# Altium PCB LimeSDR-USB_1v5.PcbDoc (continued)
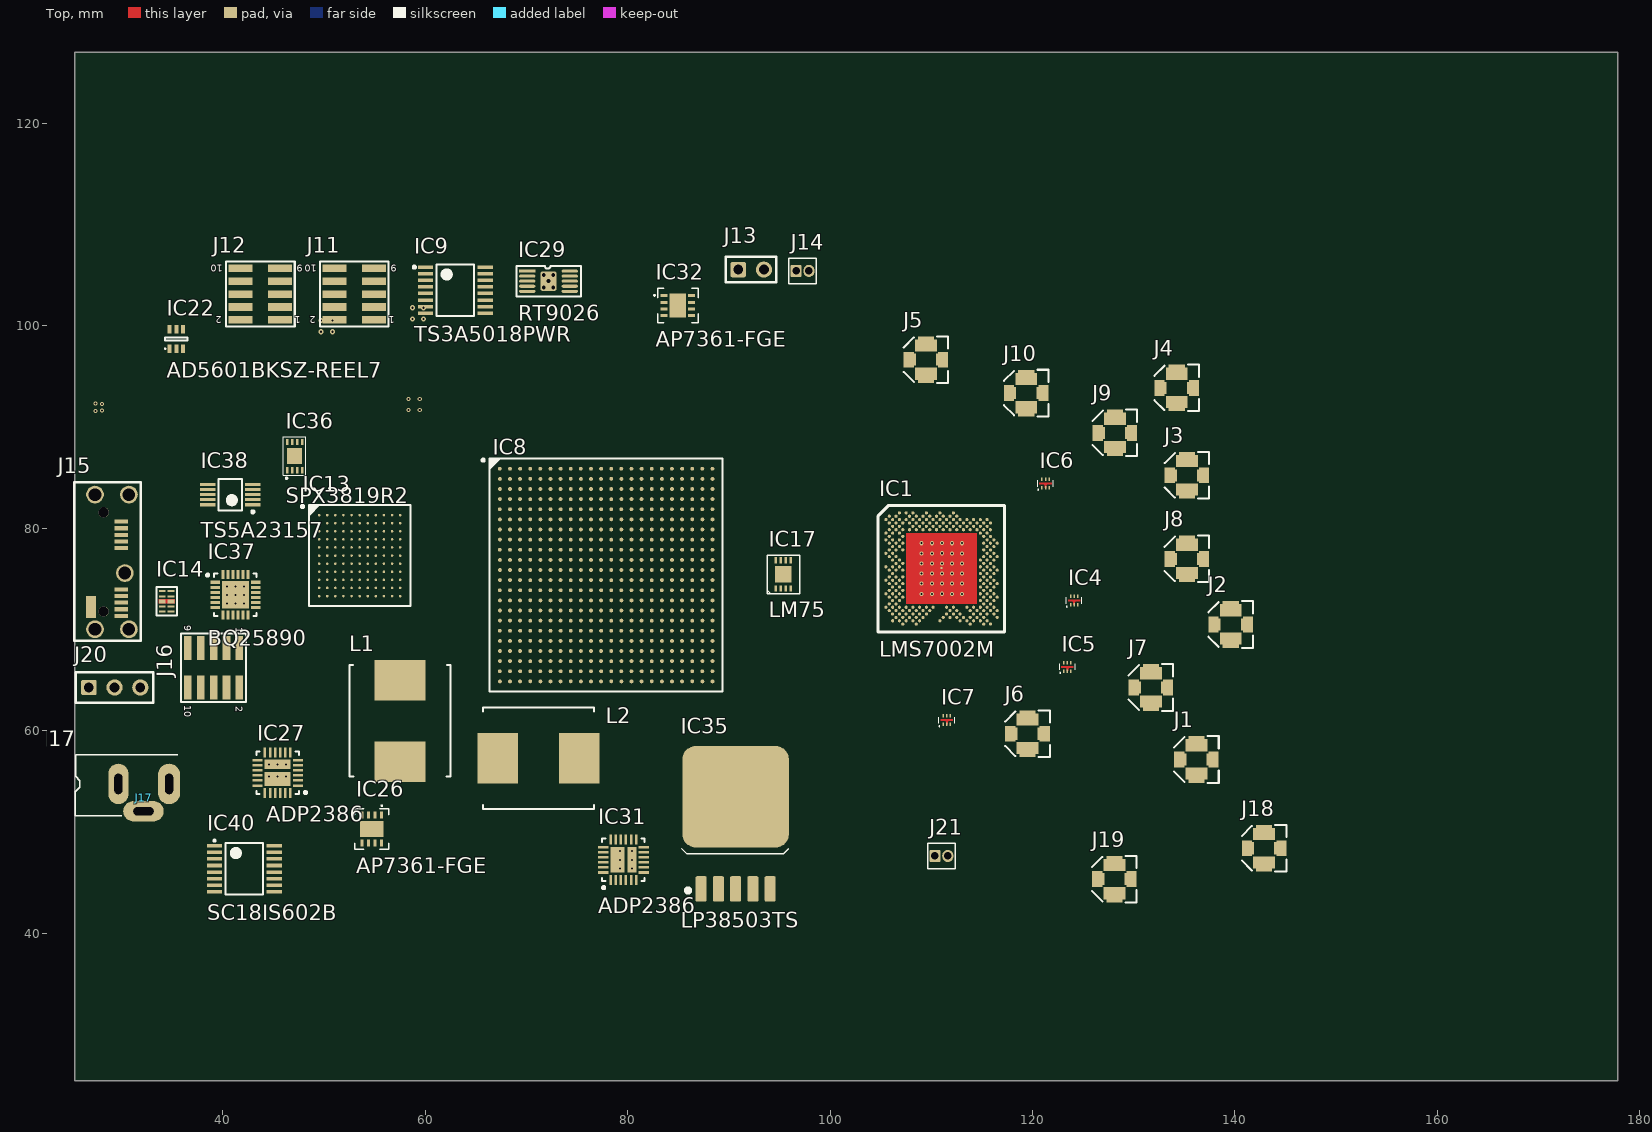
[diagram p0: Top view]
## Footprints (in the part's own frame and the unit in brackets; to place one, negate y for a bottom-side part, rotate by r counter-clockwise, add the part's x,y. Pads: shape width x height; smd on the part's side, far side on the other; paste and mask are expansions set on the pad) (continued)
  rect 2.6x2.6 smd mask+0.05: 25(0,0)
  silkscreen extent -3,-2.22 2.22,2.22, body extent -2,-2 2,2, height 1
LMS7002M_v3 [mm] "LMS7002 without AM2 pad (internally unconnected). Pad size reduced to 0.31mm from 0.35"
  round 0.31 smd mask+0.05: A5(-3.998,5.49) A7(-3.332,5.49) A9(-2.666,5.49) A13(-1.334,5.49) A17(-0.002,5.49) A21(1.33,5.49) AA1(-5.33,-1.17) AA3(-4.664,-1.17) AA5(-3.998,-1.17) AA29(3.994,-1.17) AA31(4.66,-1.17) AA33(5.326,-1.17) AB2(-4.997,-1.503) AB4(-4.331,-1.503) AB6(-3.665,-1.503) AB30(4.327,-1.503) AB32(4.993,-1.503) AB34(5.659,-1.503) AC3(-4.664,-1.836) AC5(-3.998,-1.836) AC29(3.994,-1.836) AC31(4.66,-1.836) AC33(5.326,-1.836) AD2(-4.997,-2.169) AD4(-4.331,-2.169) AD6(-3.665,-2.169) AD30(4.327,-2.169) AD32(4.993,-2.169) AE1(-5.33,-2.502) AE3(-4.664,-2.502) AE5(-3.998,-2.502) AE29(3.994,-2.502) AE31(4.66,-2.502) AE33(5.326,-2.502) AF2(-4.997,-2.835) AF4(-4.331,-2.835) AF6(-3.665,-2.835) AF30(4.327,-2.835) AF32(4.993,-2.835) AF34(5.659,-2.835) AG3(-4.664,-3.168) AG5(-3.998,-3.168) AG29(3.994,-3.168) AG31(4.66,-3.168) AG33(5.326,-3.168) AH2(-4.997,-3.501) AH4(-4.331,-3.501) AH30(4.327,-3.501) AH32(4.993,-3.501) AJ1(-5.33,-3.834) AJ3(-4.664,-3.834) AJ5(-3.998,-3.834) AJ7(-3.332,-3.834) AJ9(-2.666,-3.834) AJ11(-2,-3.834) AJ13(-1.334,-3.834) AJ15(-0.668,-3.834) AJ19(0.664,-3.834) AJ21(1.33,-3.834) AJ25(2.662,-3.834) AJ27(3.328,-3.834) AJ29(3.994,-3.834) AJ31(4.66,-3.834) AJ33(5.326,-3.834) AK2(-4.997,-4.167) AK4(-4.331,-4.167) AK6(-3.665,-4.167) AK8(-2.999,-4.167) AK10(-2.333,-4.167) AK12(-1.667,-4.167) AK14(-1.001,-4.167) AK20(0.997,-4.167) AK22(1.663,-4.167) AK26(2.995,-4.167) AK28(3.661,-4.167) AK30(4.327,-4.167) AK32(4.993,-4.167) AK34(5.659,-4.167) AL3(-4.664,-4.5) AL5(-3.998,-4.5) AL7(-3.332,-4.5) AL9(-2.666,-4.5) AL11(-2,-4.5) AL13(-1.334,-4.5) AL19(0.664,-4.5) AL21(1.33,-4.5) AL23(1.996,-4.5) AL27(3.328,-4.5) AL29(3.994,-4.5) AL31(4.66,-4.5) AL33(5.326,-4.5) AM4(-4.331,-4.833) AM6(-3.665,-4.833) AM8(-2.999,-4.833) AM10(-2.333,-4.833) AM12(-1.667,-4.833) AM18(0.331,-4.833) AM20(0.997,-4.833) AM22(1.663,-4.833) AM24(2.329,-4.833) AM26(2.995,-4.833) AM28(3.661,-4.833) AM30(4.327,-4.833) AM34(5.659,-4.833) AN3(-4.664,-5.166) AN5(-3.998,-5.166) AN7(-3.332,-5.166) AN9(-2.666,-5.166) AN11(-2,-5.166) AN17(-0.002,-5.166) AN23(1.996,-5.166) AN25(2.662,-5.166) AN27(3.328,-5.166) AN29(3.994,-5.166) AN31(4.66,-5.166) AP6(-3.665,-5.499) AP10(-2.333,-5.499) AP26(2.995,-5.499) AP30(4.327,-5.499) AP32(4.993,-5.499) B2(-4.997,5.157) B4(-4.331,5.157) B8(-2.999,5.157) B10(-2.333,5.157) B12(-1.667,5.157) B14(-1.001,5.157) B16(-0.335,5.157) B18(0.331,5.157) B20(0.997,5.157) B22(1.663,5.157) C1(-5.33,4.824) C3(-4.664,4.824) C5(-3.998,4.824) C7(-3.332,4.824) C9(-2.666,4.824) C11(-2,4.824) C13(-1.334,4.824) C15(-0.668,4.824) C17(-0.002,4.824) C19(0.664,4.824) C21(1.33,4.824) C23(1.996,4.824) C25(2.662,4.824) C27(3.328,4.824) C29(3.994,4.824) C31(4.66,4.824) D2(-4.997,4.491) D4(-4.331,4.491) D6(-3.665,4.491) D8(-2.999,4.491) D10(-2.333,4.491) D12(-1.667,4.491) D14(-1.001,4.491) D16(-0.335,4.491) D18(0.331,4.491) D20(0.997,4.491) D22(1.663,4.491) D24(2.329,4.491) D26(2.995,4.491) D28(3.661,4.491) D30(4.327,4.491) D32(4.993,4.491) E3(-4.664,4.158) E5(-3.998,4.158) E9(-2.666,4.158) E11(-2,4.158) E13(-1.334,4.158) E15(-0.668,4.158) E17(-0.002,4.158) E19(0.664,4.158) E21(1.33,4.158) E23(1.996,4.158) E25(2.662,4.158) E27(3.328,4.158) E29(3.994,4.158) E31(4.66,4.158) F2(-4.997,3.825) F4(-4.331,3.825) F6(-3.665,3.825) F8(-2.999,3.825) F10(-2.333,3.825) F12(-1.667,3.825) F14(-1.001,3.825) F16(-0.335,3.825) F18(0.331,3.825) F20(0.997,3.825) F22(1.663,3.825) F24(2.329,3.825) F26(2.995,3.825) F28(3.661,3.825) F30(4.327,3.825) F32(4.993,3.825) G1(-5.33,3.492) G3(-4.664,3.492) G5(-3.998,3.492) G29(3.994,3.492) G31(4.66,3.492) H2(-4.997,3.159) H6(-3.665,3.159) H30(4.327,3.159) H32(4.993,3.159) J1(-5.33,2.826) J3(-4.664,2.826) J5(-3.998,2.826) J31(4.66,2.826) J33(5.326,2.826) K2(-4.997,2.493) K4(-4.331,2.493) K6(-3.665,2.493) K30(4.327,2.493) K32(4.993,2.493) K34(5.659,2.493) L3(-4.664,2.16) L5(-3.998,2.16) L31(4.66,2.16) L33(5.326,2.16) M2(-4.997,1.827) M4(-4.331,1.827) M6(-3.665,1.827) M30(4.327,1.827) M32(4.993,1.827) N1(-5.33,1.494) N3(-4.664,1.494) N31(4.66,1.494) N33(5.326,1.494) P2(-4.997,1.161) P4(-4.331,1.161) P30(4.327,1.161) P32(4.993,1.161) P34(5.659,1.161) R3(-4.664,0.828) R5(-3.998,0.828) R29(3.994,0.828) R31(4.66,0.828) R33(5.326,0.828) T4(-4.331,0.495) T6(-3.665,0.495) T30(4.327,0.495) T32(4.993,0.495) U1(-5.33,0.162) U3(-4.664,0.162) U5(-3.998,0.162) U29(3.994,0.162) U31(4.66,0.162) U33(5.326,0.162) V2(-4.997,-0.171) V4(-4.331,-0.171) V6(-3.665,-0.171) V30(4.327,-0.171) V32(4.993,-0.171) V34(5.659,-0.171) W3(-4.664,-0.504) W29(3.994,-0.504) W31(4.66,-0.504) W33(5.326,-0.504) Y2(-4.997,-0.837) Y4(-4.331,-0.837) Y6(-3.665,-0.837) Y30(4.327,-0.837) Y32(4.993,-0.837)
  rect 0.2x0.2 smd: GND(0.175,0.025)
  Top region: -3.325,-3.5 3.675,-3.5 3.675,3.5 -3.325,3.5
  silkscreen extent -6.1,-6.3 6.4,6.2, body extent -6,-6.15 6.3,6.15, height 1
M25P40-VMN6TPB_SO8N [mm] "SOIC, 8-Leads, Body 4,90x3,90mm, Pitch 1,27mm, IPC Medium Density"
  rect 2.2x0.55 smd: 1(-2.4,1.905) 2(-2.4,0.635) 3(-2.4,-0.635) 4(-2.4,-1.905) 5(2.4,-1.905) 6(2.4,-0.635) 7(2.4,0.635) 8(2.4,1.905)
  silkscreen extent -2.52,-2.5 0.9,2.85, body extent -2.89,-2.45 2.89,2.45, height 1.45
MAX7322ATE_QFN16 [mm]
  rect 0.8x0.3 smd mask+0.05: 1(-1.425,0.75) 2(-1.425,0.25) 3(-1.425,-0.25) 4(-1.425,-0.75) 9(1.425,-0.75) 10(1.425,-0.25) 11(1.425,0.25) 12(1.425,0.75)
  rect 0.3x0.8 smd mask+0.05: 5(-0.75,-1.425) 6(-0.25,-1.425) 7(0.25,-1.425) 8(0.75,-1.425) 13(0.75,1.425) 14(0.25,1.425) 15(-0.25,1.425) 16(-0.75,1.425)
  rect 1.25x1.25 smd mask+0.05: 17(0,0)
  silkscreen extent -2.16,-1.8 1.8,1.82, body extent -1.5,-1.5 1.5,1.5, height 0.92
microUSB3B_SM_v2 [mm] "GSB443T33HRCT-ND"
  round 1 hole 1: 0(-2.225,-1.73) 0(7.575,-1.73)
  rect 0.4x1.35 smd: 1(-1.3,0) 2(-0.65,0) 3(0,0) 4(0.65,0) 5(1.3,0) 6(5.4,0) 7(6.05,0) 8(6.7,0) 9(7.35,0) 10(8,0)
  round 1.75 hole 1.25: 11(-3.975,0.77) 11(-3.975,-2.58) 11(3.775,0.37) 11(9.325,-2.58) 11(9.325,0.77)
  rect 2.18x0.98 smd: 12(7.115,-2.97)
  silkscreen extent -5.18,-4.62 10.48,1.92, body extent -4.03,-6.52 9.38,-0.61, height 5.27
MMCX_UFL_conn_u [mm]
  rect 1.55x1 smd mask+0.05: 1(0,1.7) 2(0,-1.7)
  rect 1.2x1.2 smd mask+0.05: 1(0,1.6) 2(0,-1.6)
  rect 1.2x1.6 smd mask+0.05: 2(-1.7,0) 2(1.7,0)
  rect 1.2x2.15 smd mask+0.05: 2(-1.4,0) 2(1.4,0)
  silkscreen extent -2.3,-2.2 2.3,2.2, body extent -1.5,-1.55 1.5,1.55, height 1.25
MSOP10 [mm]
  rrect25% 1.6x0.3 smd mask+0.05: 1(0,0)
  oval 1.6x0.3 smd mask+0.05: 2(0,-0.5) 3(0,-1) 4(0,-1.5) 5(0,-2) 6(4.2,-2) 7(4.2,-1.5) 8(4.2,-1) 9(4.2,-0.5) 10(4.2,0)
  round 0.66 hole 0.381: 11(1.625,-1.625) 11(1.625,-0.375) 11(2.1,-1) 11(2.575,-1.625) 11(2.575,-0.375)
  rrect25% 1.6x1.9 smd: 11(2.1,-1)
  silkscreen extent -1.07,-2.5 5.31,0.5, body extent -0.47,-2.6 4.68,0.6, height 1.09
NC7SV74K8XCT [mm] "SOIC, 8-Leads, Body 2,00x2,30mm, Pitch 1,27mm, IPC Medium Density"
  rect 0.7x0.3 smd mask+0.05: 1(-1.35,0.75) 2(-1.35,0.25) 3(-1.35,-0.25) 4(-1.35,-0.75) 5(1.35,-0.75) 6(1.35,-0.25) 7(1.35,0.25) 8(1.35,0.75)
  silkscreen extent -1.45,-1.05 0.8,1.47, body extent -1.2,-1.05 1.2,1.05, height 0.9
RAKON_RPT7050A [mm] "Rakon's Pluto+ ASIC"
  rect 1.5x1.2 smd: 1(2.45,2.2) 2(-2.75,2.2) 4(-2.75,-2.2) 5(2.45,-2.2)
  rect 1.4x0.9 smd: 3(-3.2,0) 6(3.2,0)
  body extent 4.15,1.8 4.25,1.9, height 0.1
RAKON_TXCO [mm] "30.72 MHz or 61.44 MHz"
  rect 1.5x1.2 smd: 1(2.45,2.2) 2(-2.75,2.2) 3(-2.75,-2.2) 4(2.45,-2.2)
  body extent -3.5,-2.3 3.2,2.3, height 2.4
SC18IS602B_TSSOP16 [mm]
  rect 1.5x0.35 smd: 1(-2.95,2.275) 2(-2.95,1.625) 3(-2.95,0.975) 4(-2.95,0.325) 5(-2.95,-0.325) 6(-2.95,-0.975) 7(-2.95,-1.625) 8(-2.95,-2.275) 9(2.95,-2.275) 10(2.95,-1.625) 11(2.95,-0.975) 12(2.95,-0.325) 13(2.95,0.325) 14(2.95,0.975) 15(2.95,1.625) 16(2.95,2.275)
  silkscreen extent -3.05,-2.55 1.85,2.85, body extent -3.2,-2.5 3.2,2.5, height 1.1
Si5351C_20QFN [mm] "QFN, 20-Leads, Body 4,00x4,00mm, Pitch 0,50mm, Thermal Pad 2,70x2,70mm, IPC Medium Density"
  rect 0.8x0.25 smd mask+0.05: 1(-1.925,1) 2(-1.925,0.5) 3(-1.925,0) 4(-1.925,-0.5) 5(-1.925,-1) 11(1.925,-1) 12(1.925,-0.5) 13(1.925,0) 14(1.925,0.5) 15(1.925,1)
  rect 0.25x0.8 smd mask+0.05: 6(-1,-1.925) 7(-0.5,-1.925) 8(0,-1.925) 9(0.5,-1.925) 10(1,-1.925) 16(1,1.925) 17(0.5,1.925) 18(0,1.925) 19(-0.5,1.925) 20(-1,1.925)
  rect 2.7x2.7 smd mask+0.05: 21(0,0)
  silkscreen extent -2.92,-2.15 2.15,2.15, body extent -2.02,-2.02 2.02,2.02, height 0.8
SKY13323-378LF [mm] "SKY13323-378LF RF switch"
  rect 0.35x0.15 smd paste-0.1 mask+0.05: 1(-0.425,0.35) 2(-0.425,0) 3(-0.425,-0.35) 4(0.425,-0.35) 5(0.425,0) 6(0.425,0.35)
  Top region: -0.4,0.075 -0.175,0.075 -0.075,0.175 -0.075,0.6 0.075,0.6 0.075,0 -0.4,0
  Top region: -0.4,-0.075 -0.175,-0.075 -0.075,-0.175 -0.075,-0.6 0.075,-0.6 0.075,0 -0.4,0
  silkscreen extent -0.65,-0.78 0.3,0.78, body extent -0.5,-0.5 0.5,0.5, height 0.51
SP3010-04UTG [mm]
  rect 0.2x0.675 smd mask+0.05: 1(-1,-0.437) 2(-0.5,-0.437) 4(0.5,-0.437) 5(1,-0.437) 6(1,0.437) 7(0.5,0.437) 9(-0.5,0.437) 10(-1,0.437)
  rect 0.4x0.675 smd mask+0.05: 3(0,-0.437) 8(0,0.437)
  Top region: 0.2,0.775 0.2,-0.775 -0.2,-0.775 -0.2,0.775
  silkscreen extent -1.4,-1 1.4,1, body extent -1.25,-0.51 1.25,0.51, height 0.52
SPX3819R2-L/TR [mm]
  rect 0.6x0.25 smd mask+0.05: 1(-1.4,0.75) 2(-1.4,0.25) 3(-1.4,-0.25) 4(-1.4,-0.75) 5(1.4,-0.75) 6(1.4,-0.25) 7(1.4,0.25) 8(1.4,0.75)
  rect 1.6x1.5 smd: 9(0,0)
  silkscreen extent -2.22,-1.1 1.9,1.1, body extent -1.51,-1 1.51,1, height 0.75
SWD_10_pin [mm]
  rect 0.75x2.4 smd: 1(-2.55,-1.95) 2(-2.55,1.95) 3(-1.275,-1.95) 4(-1.275,1.95) 5(0,-1.95) 6(0,1.95) 7(1.275,-1.95) 8(1.275,1.95) 9(2.55,-1.95) 10(2.55,1.95)
  silkscreen extent -3.2,-3.4 3.2,3.4, body extent -3.17,-2.75 3.17,2.75, height 6.37
TO-263-5_v2 [mm] "D-PAK/TO-263-5; 5 Leads; Body 14.4 (inc. leads) x 10.4 mm (LxW max)"
  round 0.5 on Mech15: 0(0,0)
  rrect25% 2.5x1.1 smd: 1(-6.05,3.41) 2(-6.05,1.705) 3(-6.05,0) 4(-6.05,-1.705) 5(-6.05,-3.41)
  rrect25% 10x10.5 smd: 3(3.05,0)
  silkscreen extent -6.4,-5.2 -2.1,5.3, body extent -6.73,-5.08 7.29,5.08, height 4.56
TS3A5018PWR [mm] "TSOP, 16-Leads, Body 5,00x4,40mm, Pitch 0,65mm, IPC Medium Density"
  rect 1.5x0.35 smd: 1(-2.95,2.275) 2(-2.95,1.625) 3(-2.95,0.975) 4(-2.95,0.325) 5(-2.95,-0.325) 6(-2.95,-0.975) 7(-2.95,-1.625) 8(-2.95,-2.275) 9(2.95,-2.275) 10(2.95,-1.625) 11(2.95,-0.975) 12(2.95,-0.325) 13(2.95,0.325) 14(2.95,0.975) 15(2.95,1.625) 16(2.95,2.275)
  silkscreen extent -4.17,-2.55 1.85,2.55, body extent -3.2,-2.5 3.2,2.5, height 1.1
TS5A23157 [mm] "TSSOP, 10-Leads, Body 3,00x3,00mm, Pitch 0,50mm, IPC Medium Density"
  rect 1.5x0.3 smd mask+0.05: 1(-2.225,1) 2(-2.225,0.5) 3(-2.225,0) 4(-2.225,-0.5) 5(-2.225,-1) 6(2.225,-1) 7(2.225,-0.5) 8(2.225,0) 9(2.225,0.5) 10(2.225,1)
  silkscreen extent -2.35,-1.55 1.15,1.82, body extent -2.51,-1.55 2.51,1.55, height 1.1
WQFN-24 [mm]
  rect 0.9x0.3 smd mask+0.05: 1(-2.025,1.225) 2(-2.025,0.725) 3(-2.025,0.225) 4(-2.025,-0.275) 5(-2.025,-0.775) 6(-2.025,-1.275) 13(1.975,-1.275) 14(1.975,-0.775) 15(1.975,-0.275) 16(1.975,0.225) 17(1.975,0.725) 18(1.975,1.225)
  rect 0.3x0.9 smd mask+0.05: 7(-1.275,-2.025) 8(-0.775,-2.025) 9(-0.275,-2.025) 10(0.225,-2.025) 11(0.725,-2.025) 12(1.225,-2.025) 19(1.225,1.975) 20(0.725,1.975) 21(0.225,1.975) 22(-0.275,1.975) 23(-0.775,1.975) 24(-1.275,1.975)
  rect 2.7x2.7 smd mask+0.05: 25(-0.025,-0.025)
  silkscreen extent -2.9,-2.13 2.07,2.08, body extent -2.04,-2.04 1.98,1.98, height 0.8

## Part data
IC4 IC5 IC6 IC7: "SKY13323-378LF: 0.1-3.0 GHz GaAs SPDT Switch"
IC8: library part EP4CE40F23C7N, "IC FPGA 328 I/O 484FBGA"
IC10: library part M25P40
IC13: "EZ-USB(R) FX3: SuperSpeed USB Controller, 512 KB, 60 I/Os, 0 to 70 degC, 121-Pin FBGA (BZX121)"
IC18: library part MAX7322ATE+
IC22: "Single 8-Bit nanoDAC with SPI Interface in LFCSP and SC70, 2.7 to 5.5 V, <100 uA, -40 to +125 degC, KS-6, Pb-Free, Reel"
IC26 IC28 IC30 IC32 IC33 IC34: library part AP7361
IC36: library part SPX3819R2-L/TR
IC38: "TS3A5018"
IC40: library part SC18IS602
J1 J2 J3 J4 J5 J6 J7 J8 J9 J10: library part RF_IF_connector, "CONN UMC RCPT STR 50 OHM SMD"
J11 J12 J16: library part "Header 5X2_SWD", "Header, 5-Pin, Dual row"
J13 J14: library part Jumper
J15: library part Micro_USB3_B
J17: "Power Connector, THT, 2.1mm ID, 5.5mm OD"
J18 J19: library part RF_IF_connector
J20: library part Header3P, "Header, 3-pin"
L1 L2: library part Inductor_0603
XO1: library part RPT7050A
XO2: library part TXCO
XT1: library part CRYSTAL_19M2, "Oscillator Crystal 19.2 MHz"
XT2: library part CRYSTAL_19M2, "Oscillator Crystal 25 MHz"

## Via types
v1: diameter 0.4, hole 0.2, Top to Bottom, tented both sides, 38 vias
v2: diameter 0.5, hole 0.2, Top to Bottom, tented both sides, 29 vias

## Nets (pads, with @x,y where several pads share a name; then routed paths per layer and width w, separated by ;. In a path a pad name is that pad's centre, name@x,y a point inside that pad or via, vN(x,y) a via of type N, cw(c..) or ccw(c..) an arc to the next point about the centre after c; other vN are vias at no path point)
pads on no net: IC1.A5 IC1.A7 IC1.A9 IC1.A13 IC1.A17 IC1.A21 IC1.AA1 IC1.AA3 IC1.AA5 IC1.AA29 IC1.AA31 IC1.AA33 IC1.AB2 IC1.AB4 IC1.AB6 IC1.AB30 IC1.AB32 IC1.AB34 IC1.AC3 IC1.AC5 IC1.AC29 IC1.AC31 IC1.AC33 IC1.AD2 IC1.AD4 IC1.AD6 IC1.AD30 IC1.AD32 IC1.AE1 IC1.AE3 IC1.AE5 IC1.AE29 IC1.AE31 IC1.AE33 IC1.AF2 IC1.AF4 IC1.AF6 IC1.AF30 IC1.AF32 IC1.AF34 IC1.AG3 IC1.AG5 IC1.AG29 IC1.AG31 IC1.AG33 IC1.AH2 IC1.AH4 IC1.AH30 IC1.AH32 IC1.AJ1 IC1.AJ3 IC1.AJ5 IC1.AJ7 IC1.AJ9 IC1.AJ11 IC1.AJ13 IC1.AJ15 IC1.AJ19 IC1.AJ21 IC1.AJ25 IC1.AJ27 IC1.AJ29 IC1.AJ31 IC1.AJ33 IC1.AK2 IC1.AK4 IC1.AK6 IC1.AK8 IC1.AK10 IC1.AK12 IC1.AK14 IC1.AK20 IC1.AK22 IC1.AK26 IC1.AK28 IC1.AK30 IC1.AK32 IC1.AK34 IC1.AL3 IC1.AL5 IC1.AL7 IC1.AL9 IC1.AL11 IC1.AL13 IC1.AL19 IC1.AL21 IC1.AL23 IC1.AL27 IC1.AL29 IC1.AL31 IC1.AL33 IC1.AM4 IC1.AM6 IC1.AM8 IC1.AM10 IC1.AM12 IC1.AM18 IC1.AM20 IC1.AM22 IC1.AM24 IC1.AM26 IC1.AM28 IC1.AM30 IC1.AM34 IC1.AN3 IC1.AN5 IC1.AN7 IC1.AN9 IC1.AN11 IC1.AN17 IC1.AN23 IC1.AN25 IC1.AN27 IC1.AN29 IC1.AN31 IC1.AP6 IC1.AP10 IC1.AP26 IC1.AP30 IC1.AP32 IC1.B2 IC1.B4 IC1.B8 IC1.B10 IC1.B12 IC1.B14 IC1.B16 IC1.B18 IC1.B20 IC1.B22 IC1.C1 IC1.C3 IC1.C5 IC1.C7 IC1.C9 IC1.C11 IC1.C13 IC1.C15 IC1.C17 IC1.C19 IC1.C21 IC1.C23 IC1.C25 IC1.C27 IC1.C29 IC1.C31 IC1.D2 IC1.D4 IC1.D6 IC1.D8 IC1.D10 IC1.D12 IC1.D14 IC1.D16 IC1.D18 IC1.D20 IC1.D22 IC1.D24 IC1.D26 IC1.D28 IC1.D30 IC1.D32 IC1.E3 IC1.E5 IC1.E9 IC1.E11 IC1.E13 IC1.E15 IC1.E17 IC1.E19 IC1.E21 IC1.E23 IC1.E25 IC1.E27 IC1.E29 IC1.E31 IC1.F2 IC1.F4 IC1.F6 IC1.F8 IC1.F10 IC1.F12 IC1.F14 IC1.F16 IC1.F18 IC1.F20 IC1.F22 IC1.F24 IC1.F26 IC1.F28 IC1.F30 IC1.F32 IC1.G1 IC1.G3 IC1.G5 IC1.G29 IC1.G31 IC1.GND IC1.H2 IC1.H6 IC1.H30 IC1.H32 IC1.J1 IC1.J3 IC1.J5 IC1.J31 IC1.J33 IC1.K2 IC1.K4 IC1.K6 IC1.K30 IC1.K32 IC1.K34 IC1.L3 IC1.L5 IC1.L31 IC1.L33 IC1.M2 IC1.M4 IC1.M6 IC1.M30 IC1.M32 IC1.N1 IC1.N3 IC1.N31 IC1.N33 IC1.P2 IC1.P4 IC1.P30 IC1.P32 IC1.P34 IC1.R3 IC1.R5 IC1.R29 IC1.R31 IC1.R33 IC1.T4 IC1.T6 IC1.T30 IC1.T32 IC1.U1 IC1.U3 IC1.U5 IC1.U29 IC1.U31 IC1.U33 IC1.V2 IC1.V4 IC1.V6 IC1.V30 IC1.V32 IC1.V34 IC1.W3 IC1.W29 IC1.W31 IC1.W33 IC1.Y2 IC1.Y4 IC1.Y6 IC1.Y30 IC1.Y32 IC2.1 IC2.2 IC2.3 IC2.4 IC2.5 IC2.6 IC2.7 IC2.8 IC3.1 IC3.2 IC3.3 IC3.4 IC3.5 IC3.6 IC3.7 IC3.8 IC4.1 IC4.2 IC4.3 IC4.4 IC4.5 IC4.6 IC5.1 IC5.2 IC5.3 IC5.4 IC5.5 IC5.6 IC6.1 IC6.2 IC6.3 IC6.4 IC6.5 IC6.6 IC7.1 IC7.2 IC7.3 IC7.4 IC7.5 IC7.6 IC8.A1 IC8.A2 IC8.A3 IC8.A4 IC8.A5 IC8.A6 IC8.A7 IC8.A8 IC8.A9 IC8.A10 IC8.A11 IC8.A12 IC8.A13 IC8.A14 IC8.A15 IC8.A16 IC8.A17 IC8.A18 IC8.A19 IC8.A20 IC8.A21 IC8.A22 IC8.AA1 IC8.AA2 IC8.AA3 IC8.AA4 IC8.AA5 IC8.AA6 IC8.AA7 IC8.AA8 IC8.AA9 IC8.AA10 IC8.AA11 IC8.AA12 IC8.AA13 IC8.AA14 IC8.AA15 IC8.AA16 IC8.AA17 IC8.AA18 IC8.AA19 IC8.AA20 IC8.AA21 IC8.AA22 IC8.AB1 IC8.AB2 IC8.AB3 IC8.AB4 IC8.AB5 IC8.AB6 IC8.AB7 IC8.AB8 IC8.AB9 IC8.AB10 IC8.AB11 IC8.AB12 IC8.AB13 IC8.AB14 IC8.AB15 IC8.AB16 IC8.AB17 IC8.AB18 IC8.AB19 IC8.AB20 IC8.AB21 IC8.AB22 IC8.B1 IC8.B2 IC8.B3 IC8.B4 IC8.B5 IC8.B6 IC8.B7 IC8.B8 IC8.B9 IC8.B10 IC8.B11 IC8.B12 IC8.B13 IC8.B14 IC8.B15 IC8.B16 IC8.B17 IC8.B18 IC8.B19 IC8.B20 IC8.B21 IC8.B22 IC8.C1 IC8.C2 IC8.C3 IC8.C4 IC8.C5 IC8.C6 IC8.C7 IC8.C8 IC8.C9 IC8.C10 IC8.C11 IC8.C12 IC8.C13 IC8.C14 IC8.C15 IC8.C16 IC8.C17 IC8.C18 IC8.C19 IC8.C20 IC8.C21 IC8.C22 IC8.D1 IC8.D2 IC8.D3 IC8.D4 IC8.D5 IC8.D6 IC8.D7 IC8.D8 IC8.D9 IC8.D10 IC8.D11 IC8.D12 IC8.D13 IC8.D14 IC8.D15 IC8.D16 IC8.D17 IC8.D18 IC8.D19 IC8.D20 IC8.D21 IC8.D22 IC8.E1 IC8.E2 IC8.E3 IC8.E4 IC8.E5 IC8.E6 IC8.E7 IC8.E8 IC8.E9 IC8.E10 IC8.E11 IC8.E12 IC8.E13 IC8.E14 IC8.E15 IC8.E16 IC8.E17 IC8.E18 IC8.E19 IC8.E20 IC8.E21 IC8.E22 IC8.F1 IC8.F2 IC8.F3 IC8.F4 IC8.F5 IC8.F6 IC8.F7 IC8.F8 IC8.F9 IC8.F10 IC8.F11 IC8.F12 IC8.F13 IC8.F14 IC8.F15 IC8.F16 IC8.F17 IC8.F18 IC8.F19 IC8.F20 IC8.F21 IC8.F22 IC8.G1 IC8.G2 IC8.G3 IC8.G4 IC8.G5 IC8.G6 IC8.G7 IC8.G8 IC8.G9 IC8.G10 IC8.G11 IC8.G12 IC8.G13 IC8.G14 IC8.G15 IC8.G16 IC8.G17 IC8.G18 IC8.G19 IC8.G20 IC8.G21 IC8.G22 IC8.H1 IC8.H2 IC8.H3 IC8.H4 IC8.H5 IC8.H6 IC8.H7 IC8.H8 IC8.H9 IC8.H10 IC8.H11 IC8.H12 IC8.H13 IC8.H14 IC8.H15 IC8.H16 IC8.H17 IC8.H18 IC8.H19 IC8.H20 IC8.H21 IC8.H22 IC8.J1 IC8.J2 IC8.J3 IC8.J4 IC8.J5 IC8.J6 IC8.J7 IC8.J8 IC8.J9 IC8.J10 IC8.J11 IC8.J12 IC8.J13 IC8.J14 IC8.J15 IC8.J16 IC8.J17 IC8.J18 IC8.J19 IC8.J20 IC8.J21 IC8.J22 IC8.K1 IC8.K2 IC8.K3 IC8.K4 IC8.K5 IC8.K6 IC8.K7 IC8.K8 IC8.K9 IC8.K10 IC8.K11 IC8.K12 IC8.K13 IC8.K14 IC8.K15 IC8.K16 IC8.K17 IC8.K18 IC8.K19 IC8.K20 IC8.K21 IC8.K22 IC8.L1 IC8.L2 IC8.L3 IC8.L4 IC8.L5 IC8.L6 IC8.L7 IC8.L8 IC8.L9 IC8.L10 IC8.L11 IC8.L12 IC8.L13 IC8.L14 IC8.L15 IC8.L16 IC8.L17 IC8.L18 IC8.L19 IC8.L20 IC8.L21 IC8.L22 IC8.M1 IC8.M2 IC8.M3 IC8.M4 IC8.M5 IC8.M6 IC8.M7 IC8.M8 IC8.M9 IC8.M10 IC8.M11 IC8.M12 IC8.M13 IC8.M14 IC8.M15 IC8.M16 IC8.M17 IC8.M18 IC8.M19 IC8.M20 IC8.M21 IC8.M22 IC8.N1 IC8.N2 IC8.N3 IC8.N4 IC8.N5 IC8.N6 IC8.N7 IC8.N8 IC8.N9 IC8.N10 IC8.N11 IC8.N12 IC8.N13 IC8.N14 IC8.N15 IC8.N16 IC8.N17 IC8.N18 IC8.N19 IC8.N20 IC8.N21 IC8.N22 IC8.P1 IC8.P2 IC8.P3 IC8.P4 IC8.P5 IC8.P6 IC8.P7 IC8.P8 IC8.P9 IC8.P10 IC8.P11 IC8.P12 IC8.P13 IC8.P14 IC8.P15 IC8.P16 IC8.P17 IC8.P18 IC8.P19 IC8.P20 IC8.P21 IC8.P22 IC8.R1 IC8.R2 IC8.R3 IC8.R4 IC8.R5 IC8.R6 IC8.R7 IC8.R8 IC8.R9 IC8.R10 IC8.R11 IC8.R12 IC8.R13 IC8.R14 IC8.R15 IC8.R16 IC8.R17 IC8.R18 IC8.R19 IC8.R20 IC8.R21 IC8.R22 IC8.T1 IC8.T2 IC8.T3 IC8.T4 IC8.T5 IC8.T6 IC8.T7 IC8.T8 IC8.T9 IC8.T10 IC8.T11 IC8.T12 IC8.T13 IC8.T14 IC8.T15 IC8.T16 IC8.T17 IC8.T18 IC8.T19 IC8.T20 IC8.T21 IC8.T22 IC8.U1 IC8.U2 IC8.U3 IC8.U4 IC8.U5 IC8.U6 IC8.U7 IC8.U8 IC8.U9 IC8.U10 IC8.U11 IC8.U12 IC8.U13 IC8.U14 IC8.U15 IC8.U16 IC8.U17 IC8.U18 IC8.U19 IC8.U20 IC8.U21 IC8.U22 IC8.V1 IC8.V2 IC8.V3 IC8.V4 IC8.V5 IC8.V6 IC8.V7 IC8.V8 IC8.V9 IC8.V10 IC8.V11 IC8.V12 IC8.V13 IC8.V14 IC8.V15 IC8.V16 IC8.V17 IC8.V18 IC8.V19 IC8.V20 IC8.V21 IC8.V22 IC8.W1 IC8.W2 IC8.W3 IC8.W4 IC8.W5 IC8.W6 IC8.W7 IC8.W8 IC8.W9 IC8.W10 IC8.W11 IC8.W12 IC8.W13 IC8.W14 IC8.W15 IC8.W16 IC8.W17 IC8.W18 IC8.W19 IC8.W20 IC8.W21 IC8.W22 IC8.Y1 IC8.Y2 IC8.Y3 IC8.Y4 IC8.Y5 IC8.Y6 IC8.Y7 IC8.Y8 IC8.Y9 IC8.Y10 IC8.Y11 IC8.Y12 IC8.Y13 IC8.Y14 IC8.Y15 IC8.Y16 IC8.Y17 IC8.Y18 IC8.Y19 IC8.Y20 IC8.Y21 IC8.Y22 IC9.1 IC9.2 IC9.3 IC9.4 IC9.5 IC9.6 IC9.7 IC9.8 IC9.9 IC9.10 IC9.11 IC9.12 IC9.13 IC9.14 IC9.15 IC9.16 IC10.1 IC10.2 IC10.3 IC10.4 IC10.5 IC10.6 IC10.7 IC10.8 IC11.A1 IC11.A2 IC11.A3 IC11.A7 IC11.A8 IC11.A9 IC11.B1 IC11.B2 IC11.B3 IC11.B7 IC11.B8 IC11.B9 IC11.C1 IC11.C2 IC11.C3 IC11.C7 IC11.C8 IC11.C9 IC11.D1 IC11.D2 IC11.D3 IC11.D7 IC11.D8 IC11.D9 IC11.E1 IC11.E2 IC11.E3 IC11.E7 IC11.E8 IC11.E9 IC11.F1 IC11.F2 IC11.F3 IC11.F7 IC11.F8 IC11.F9 IC11.G1 IC11.G2 IC11.G3 IC11.G7 IC11.G8 IC11.G9 IC11.H1 IC11.H2 IC11.H3 IC11.H7 IC11.H8 IC11.H9 IC11.J1 IC11.J2 IC11.J3 IC11.J7 IC11.J8 IC11.J9 IC11.K2 IC11.K3 IC11.K7 IC11.K8 IC11.K9 IC11.L1 IC11.L2 IC11.L3 IC11.L7 IC11.L8 IC11.M2 IC11.M3 IC11.M7 IC11.M8 IC11.M9 IC11.N1 IC11.N2 IC11.N3 IC11.N7 IC11.N8 IC11.P2 IC11.P3 IC11.P7 IC11.P8 IC11.P9 IC11.R1 IC11.R2 IC11.R3 IC11.R7 IC11.R8 IC12.A1 IC12.A2 IC12.A3 IC12.A7 IC12.A8 IC12.A9 IC12.B1 IC12.B2 IC12.B3 IC12.B7 IC12.B8 IC12.B9 IC12.C1 IC12.C2 IC12.C3 IC12.C7 IC12.C8 IC12.C9 IC12.D1 IC12.D2 IC12.D3 IC12.D7 IC12.D8 IC12.D9 IC12.E1 IC12.E2 IC12.E3 IC12.E7 IC12.E8 IC12.E9 IC12.F1 IC12.F2 IC12.F3 IC12.F7 IC12.F8 IC12.F9 IC12.G1 IC12.G2 IC12.G3 IC12.G7 IC12.G8 IC12.G9 IC12.H1 IC12.H2 IC12.H3 IC12.H7 IC12.H8 IC12.H9 IC12.J1 IC12.J2 IC12.J3 IC12.J7 IC12.J8 IC12.J9 IC12.K2 IC12.K3 IC12.K7 IC12.K8 IC12.K9 IC12.L1 IC12.L2 IC12.L3 IC12.L7 IC12.L8 IC12.M2 IC12.M3 IC12.M7 IC12.M8 IC12.M9 IC12.N1 IC12.N2 IC12.N3 IC12.N7 IC12.N8 IC12.P2 IC12.P3 IC12.P7 IC12.P8 IC12.P9 IC12.R1 IC12.R2 IC12.R3 IC12.R7 IC12.R8 IC13.A1 IC13.A2 IC13.A3 IC13.A4 IC13.A5 IC13.A6 IC13.A7 IC13.A8 IC13.A9 IC13.A10 IC13.A11 IC13.B1 IC13.B2 IC13.B3 IC13.B4 IC13.B5 IC13.B6 IC13.B7 IC13.B8 IC13.B9 IC13.B10 IC13.B11 IC13.C1 IC13.C2 IC13.C3 IC13.C4 IC13.C5 IC13.C6 IC13.C7 IC13.C8 IC13.C9 IC13.C10 IC13.C11 IC13.D1 IC13.D2 IC13.D3 IC13.D4 IC13.D5 IC13.D6 IC13.D7 IC13.D8 IC13.D9 IC13.D10 IC13.D11 IC13.E1 IC13.E2 IC13.E3 IC13.E4 IC13.E5 IC13.E6 IC13.E7 IC13.E8 IC13.E9 IC13.E10 IC13.E11 IC13.F1 IC13.F2 IC13.F3 IC13.F4 IC13.F5 IC13.F6 IC13.F7 IC13.F8 IC13.F9 IC13.F10 IC13.F11 IC13.G1 IC13.G2 IC13.G3 IC13.G4 IC13.G5 IC13.G6 IC13.G7 IC13.G8 IC13.G9 IC13.G10 IC13.G11 IC13.H1 IC13.H2 IC13.H3 IC13.H4 IC13.H5 IC13.H6 IC13.H7 IC13.H8 IC13.H9 IC13.H10 IC13.H11 IC13.J1 IC13.J2 IC13.J3 IC13.J4 IC13.J5 IC13.J6 IC13.J7 IC13.J8 IC13.J9 IC13.J10 IC13.J11 IC13.K1 IC13.K2 IC13.K3 IC13.K4 IC13.K5 IC13.K6 IC13.K7 IC13.K8 IC13.K9 IC13.K10 IC13.K11 IC13.L1 IC13.L2 IC13.L3 IC13.L4 IC13.L5 IC13.L6 IC13.L7 IC13.L8 IC13.L9 IC13.L10 IC13.L11 IC14.1 IC14.2 IC14.3 IC14.4 IC14.5 IC14.6 IC14.7 IC14.8 IC14.9 IC14.10 IC16.A1 IC16.A2 IC16.A3 IC16.A4 IC16.B1 IC16.B2 IC16.B3 IC16.B4 IC16.C1 IC16.C2 IC16.C3 IC16.C4 IC16.D1 IC16.D2 IC16.D3 IC16.D4 IC17.1 IC17.2 IC17.3 IC17.4 IC17.5 IC17.6 IC17.7 IC17.8 IC17.9 IC18.1 IC18.2 IC18.3 IC18.4 IC18.5 IC18.6 IC18.7 IC18.8 IC18.9 IC18.10 IC18.11 IC18.12 IC18.13 IC18.14 IC18.15 IC18.16 IC18.17 IC19.1 IC19.2 IC19.3 IC19.4 IC19.5 IC19.6 IC19.7 IC19.8 IC20.1 IC20.2 IC20.3 IC20.4 IC20.5 IC20.6 IC20.7 IC20.8 IC20.9 IC20.10 IC20.11 IC20.12 IC20.13 IC20.14 IC20.15 IC20.16 IC20.17 IC20.18 IC20.19 IC20.20 IC20.21 IC20.22 IC20.23 IC20.24 IC20.25 IC21.1 IC21.2 IC21.3 IC21.4 IC21.5 IC21.6 IC21.7 IC21.8 IC22.1 IC22.2 IC22.3 IC22.4 IC22.5 IC22.6 IC23.1 IC23.2 IC23.3 IC23.4 IC23.5 IC23.6 IC23.7 IC23.8 IC23.9 IC23.10 IC23.11 IC23.12 IC23.13 IC23.14 IC23.15 IC23.16 IC23.17 IC23.18 IC23.19 IC23.20 IC23.21 IC24.1 IC24.2 IC24.3 IC24.4 IC24.5 IC24.6 IC24.7 IC24.8 IC24.9 IC24.10 IC24.11 IC24.12 IC24.13 IC24.14 IC24.15 IC24.16 IC24.17 IC24.18 IC24.19 IC24.20 IC24.21 IC26.1 IC26.2 IC26.3 IC26.4 IC26.5 IC26.6 IC26.7 IC26.8 IC26.9 IC27.1 IC27.2 IC27.3 IC27.4 IC27.5 IC27.6 IC27.7 IC27.8 IC27.9 IC27.10 IC27.11 IC27.12 IC27.13 IC27.14 IC27.15 IC27.16 IC27.17 IC27.18 IC27.19 IC27.20 IC27.21 IC27.22 IC27.23 IC27.24 IC27.25 IC27.26 IC28.1 IC28.2 IC28.3 IC28.4 IC28.5 IC28.6 IC28.7 IC28.8 IC28.9 IC29.1 IC29.2 IC29.3 IC29.4 IC29.5 IC29.6 IC29.7 IC29.8 IC29.9 IC29.10 IC29.11 IC30.1 IC30.2 IC30.3 IC30.4 IC30.5 IC30.6 IC30.7 IC30.8 IC30.9 IC31.1 IC31.2 IC31.3 IC31.4 IC31.5 IC31.6 IC31.7 IC31.8 IC31.9 IC31.10 IC31.11 IC31.12 IC31.13 IC31.14 IC31.15 IC31.16 IC31.17 IC31.18 IC31.19 IC31.20 IC31.21 IC31.22 IC31.23 IC31.24 IC31.25 IC31.26 IC32.1 IC32.2 IC32.3 IC32.4 IC32.5 IC32.6 IC32.7 IC32.8 IC32.9 IC33.1 IC33.2 IC33.3 IC33.4 IC33.5 IC33.6 IC33.7 IC33.8 IC33.9 IC34.1 IC34.2 IC34.3 IC34.4 IC34.5 IC34.6 IC34.7 IC34.8 IC34.9 IC35.0 IC35.1 IC35.2 IC35.3 IC35.4 IC35.5 IC36.1 IC36.2 IC36.3 IC36.4 IC36.5 IC36.6 IC36.7 IC36.8 IC36.9 IC37.1 IC37.2 IC37.3 IC37.4 IC37.5 IC37.6 IC37.7 IC37.8 IC37.9 IC37.10 IC37.11 IC37.12 IC37.13 IC37.14 IC37.15 IC37.16 IC37.17 IC37.18 IC37.19 IC37.20 IC37.21 IC37.22 IC37.23 IC37.24 IC37.25 IC38.1 IC38.2 IC38.3 IC38.4 IC38.5 IC38.6 IC38.7 IC38.8 IC38.9 IC38.10 IC39.1 IC39.2 IC39.3 IC39.4 IC39.5 IC39.6 IC39.7 IC39.8 IC40.1 IC40.2 IC40.3 IC40.4 IC40.5 IC40.6 IC40.7 IC40.8 IC40.9 IC40.10 IC40.11 IC40.12 IC40.13 IC40.14 IC40.15 IC40.16 J1.1 J1.2 J2.1 J2.2 J3.1 J3.2 J4.1 J4.2 J5.1 J5.2 J6.1 J6.2 J7.1 J7.2 J8.1 J8.2 J9.1 J9.2 J10.1 J10.2 J11.1 J11.2 J11.3 J11.4 J11.5 J11.6 J11.7 J11.8 J11.9 J11.10 J12.1 J12.2 J12.3 J12.4 J12.5 J12.6 J12.7 J12.8 J12.9 J12.10 J13.1 J13.2 J14.1 J14.2 J15.0 J15.1 J15.2 J15.3 J15.4 J15.5 J15.6 J15.7 J15.8 J15.9 J15.10 J15.11 J15.12 J16.1 J16.2 J16.3 J16.4 J16.5 J16.6 J16.7 J16.8 J16.9 J16.10 J17.1 J17.2 J17.3 J18.1 J18.2 J19.1 J19.2 J20.1 J20.2 J20.3 J21.1 J21.2 L1.1 L1.2 L2.1 L2.2 XO1.1 XO1.2 XO1.3 XO1.4 XO1.5 XO1.6 XO2.1 XO2.2 XO2.3 XO2.4 XT1.0 XT1.1 XT1.2 XT1.3 XT1.4 XT2.0 XT2.1 XT2.2 XT2.3 XT2.4
copper on no net:
  other v1: 109.053,73.511 110.053,73.511 112.053,73.511 113.053,73.511 111.053,73.521 109.053,74.511 110.053,74.511 111.053,74.521 112.053,74.511 113.053,74.511 109.053,75.511 110.053,75.511 111.053,75.521 112.053,75.511 113.053,75.511 109.053,76.511 110.053,76.511 112.053,76.511 113.053,76.511 111.053,76.521 109.053,77.511 110.053,77.511 111.053,77.521 112.053,77.511 113.053,77.511 109.053,78.511 110.053,78.511 111.053,78.521 112.053,78.511 113.053,78.511 27.435,91.577 28.11,91.602 58.378,91.652 59.478,91.652 28.11,92.277 27.46,92.302 58.378,92.752 59.478,92.752
  other v2: 79.247,46.39 80.447,46.39 79.247,47.24 80.447,47.24 79.247,48.09 80.447,48.09 44.591,55.479 45.441,55.479 46.291,55.479 44.591,56.679 45.441,56.679 46.291,56.679 40.425,72.556 41.275,72.556 42.125,72.556 40.425,73.406 41.275,73.406 42.125,73.406 40.425,74.256 41.275,74.256 42.125,74.256 49.742,99.399 50.842,99.399 49.742,100.499 50.842,100.499 58.759,100.669 59.859,100.669 58.759,101.769 59.859,101.769

## Text inside footprints (layer, text, board x,y; h text height)
J1: Mechanical 15 "in" at 134.895,56.45 h0.9 r90
J2: Mechanical 15 "in" at 138.273,69.785 h0.9 r90
J3: Mechanical 15 "in" at 133.955,84.517 h0.9 r90
J4: Mechanical 15 "in" at 132.939,93.15 h0.9 r90
J5: Mechanical 15 "in" at 108.174,95.944 h0.9 r90
J6: Mechanical 15 "in" at 118.207,58.987 h0.9 r90
J7: Mechanical 15 "in" at 130.399,63.562 h0.9 r90
J8: Mechanical 15 "in" at 133.955,76.262 h0.9 r90
J9: Mechanical 15 "in" at 126.843,88.705 h0.9 r90
J10: Mechanical 15 "in" at 118.08,92.645 h0.9 r90
J11: Top Overlay "1" at 57.004,100.919 h0.7 r180; Top Overlay "9" at 57.204,106.019 h0.7 r180; Top Overlay "2" at 49.204,100.919 h0.7 r180; Top Overlay "10" at 49.304,106.019 h0.7 r180
J12: Top Overlay "1" at 47.733,100.914 h0.7 r180; Top Overlay "9" at 47.933,106.014 h0.7 r180; Top Overlay "2" at 39.933,100.914 h0.7 r180; Top Overlay "10" at 40.033,106.014 h0.7 r180
J16: Top Overlay "1" at 41.316,70.212 h0.7 r270; Top Overlay "9" at 36.216,70.412 h0.7 r270; Top Overlay "2" at 41.316,62.412 h0.7 r270; Top Overlay "10" at 36.216,62.512 h0.7 r270
J18: Mechanical 15 "in" at 141.575,47.687 h0.9 r90
J19: Mechanical 15 "in" at 126.792,44.639 h0.9 r90
L1: Mechanical 15 "no polarity" at 60.031,57.36 h0.7 r90
L2: Mechanical 15 "no polarity" at 74.808,59.777 h0.7 r180